# Altium PCB ALCT_MEZ_LX150T.PcbDoc (part 1 of 8) (continued)
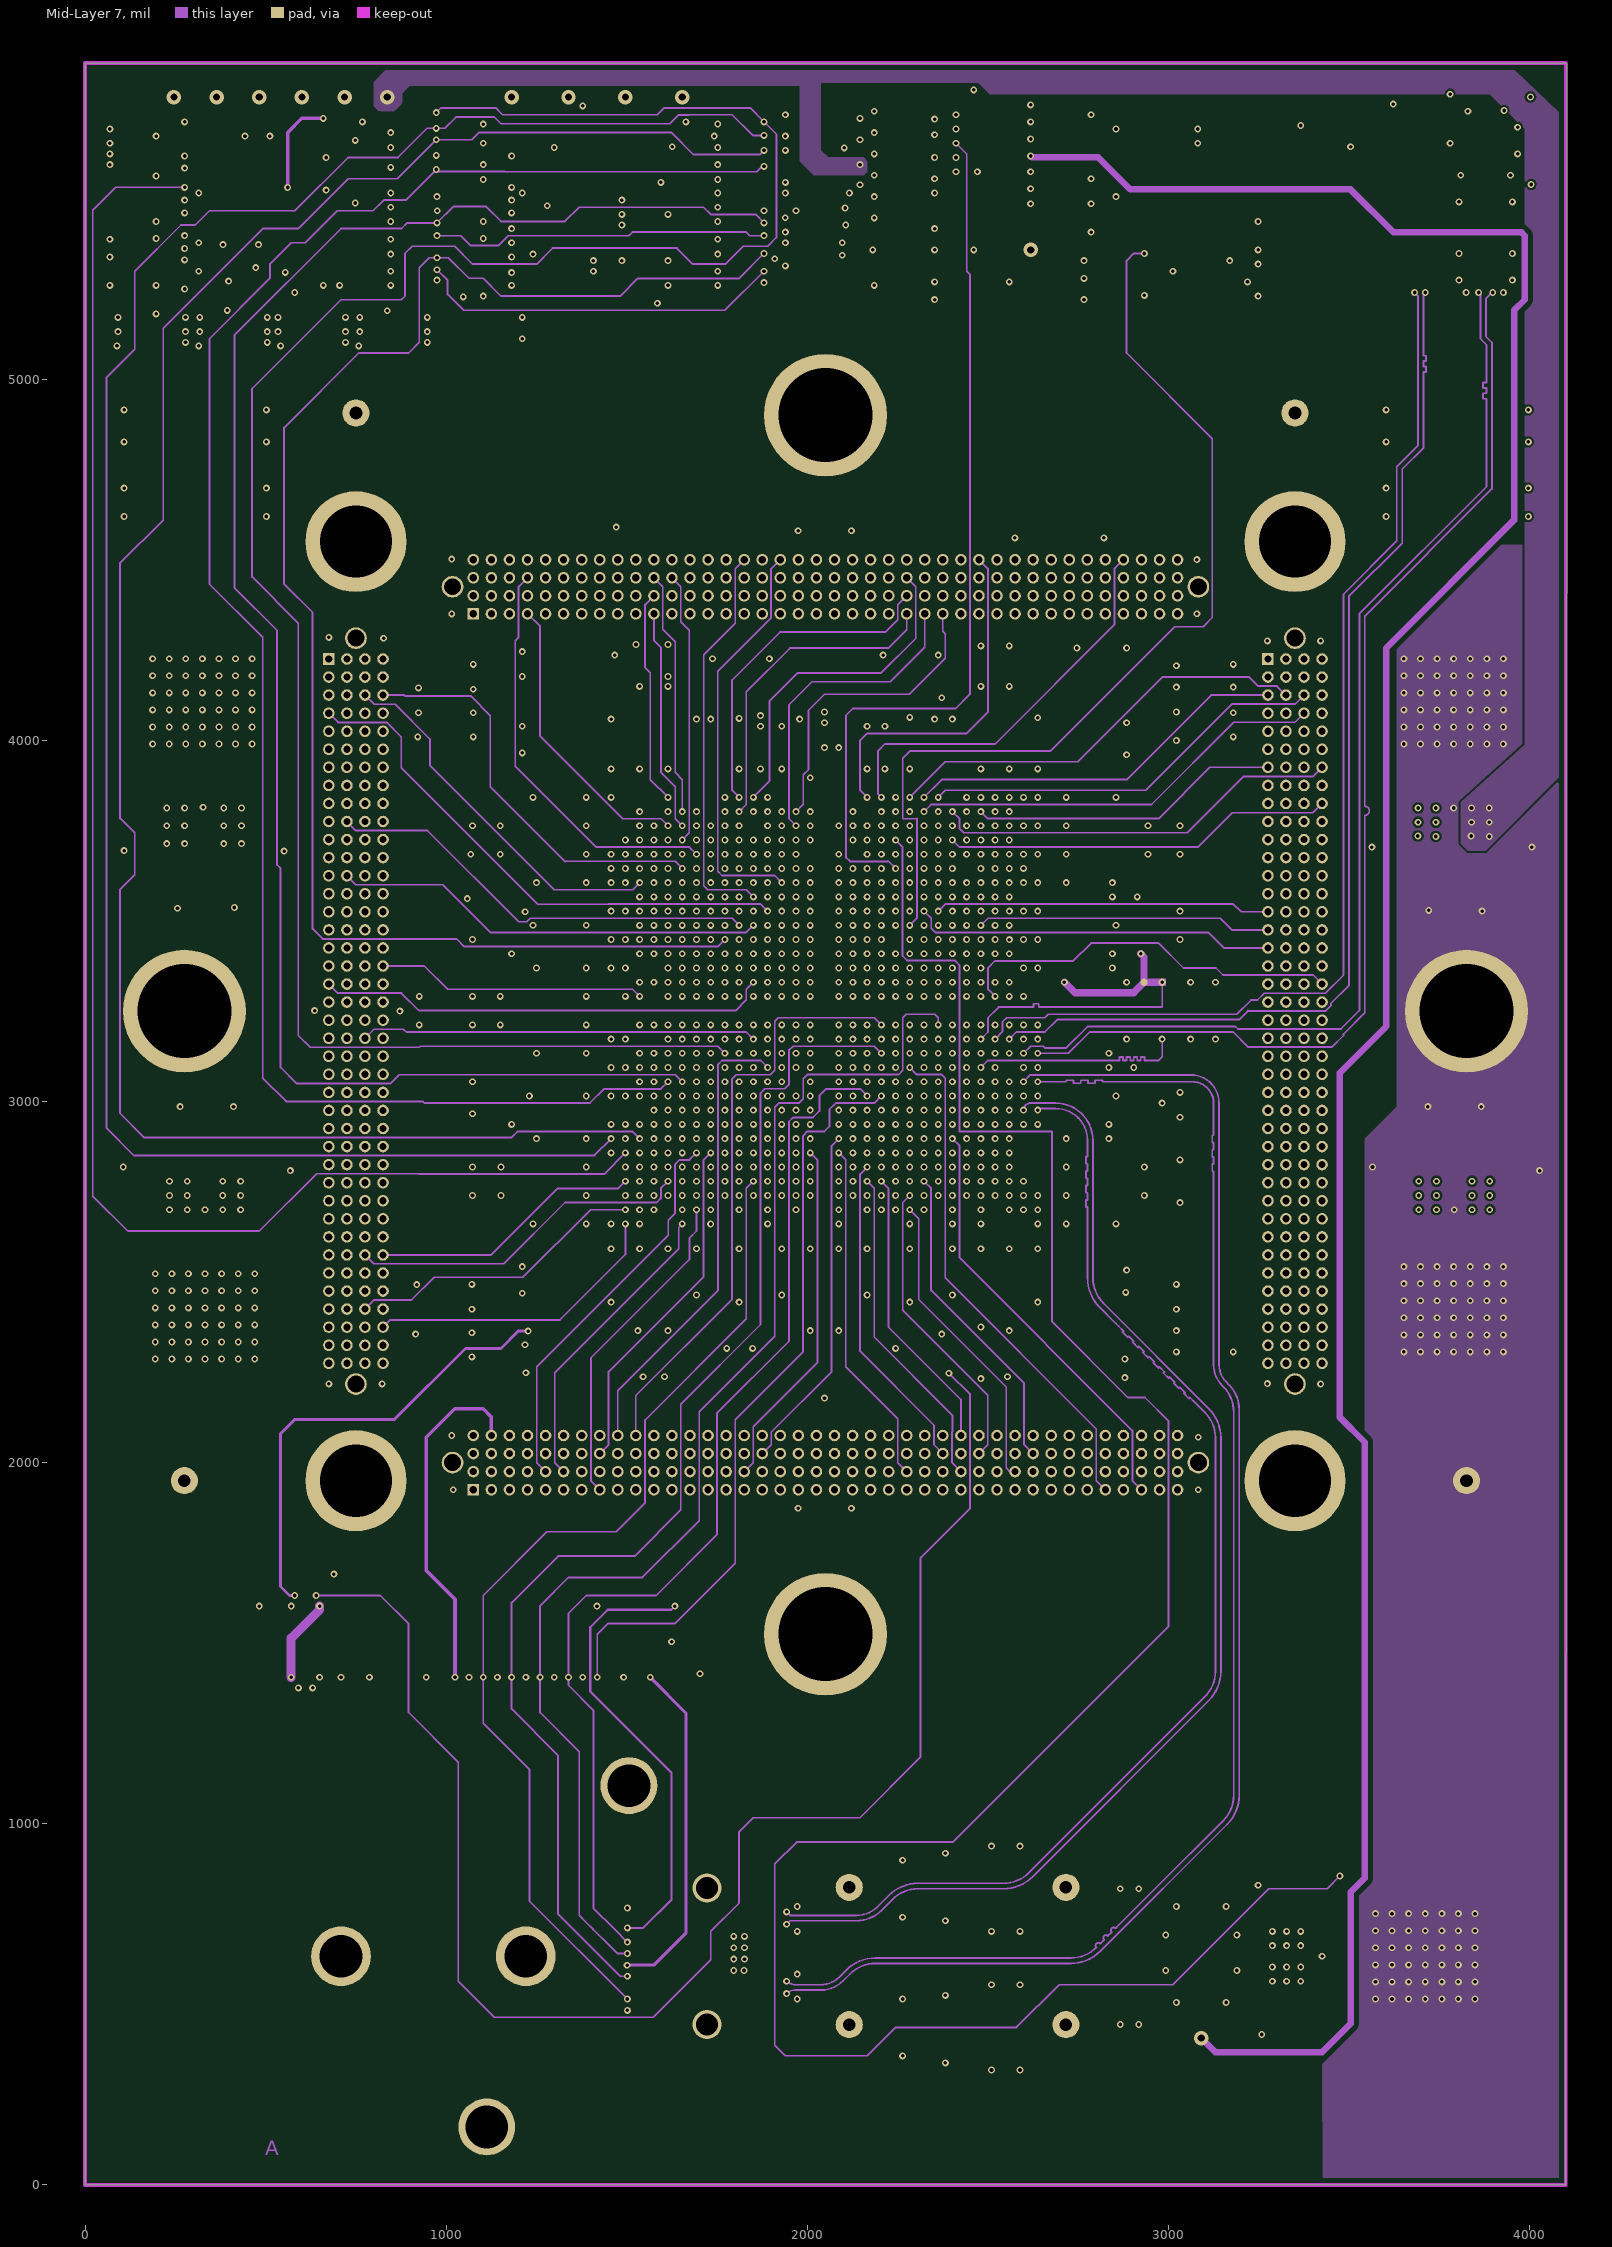
[diagram p10: Mid-Layer 7]
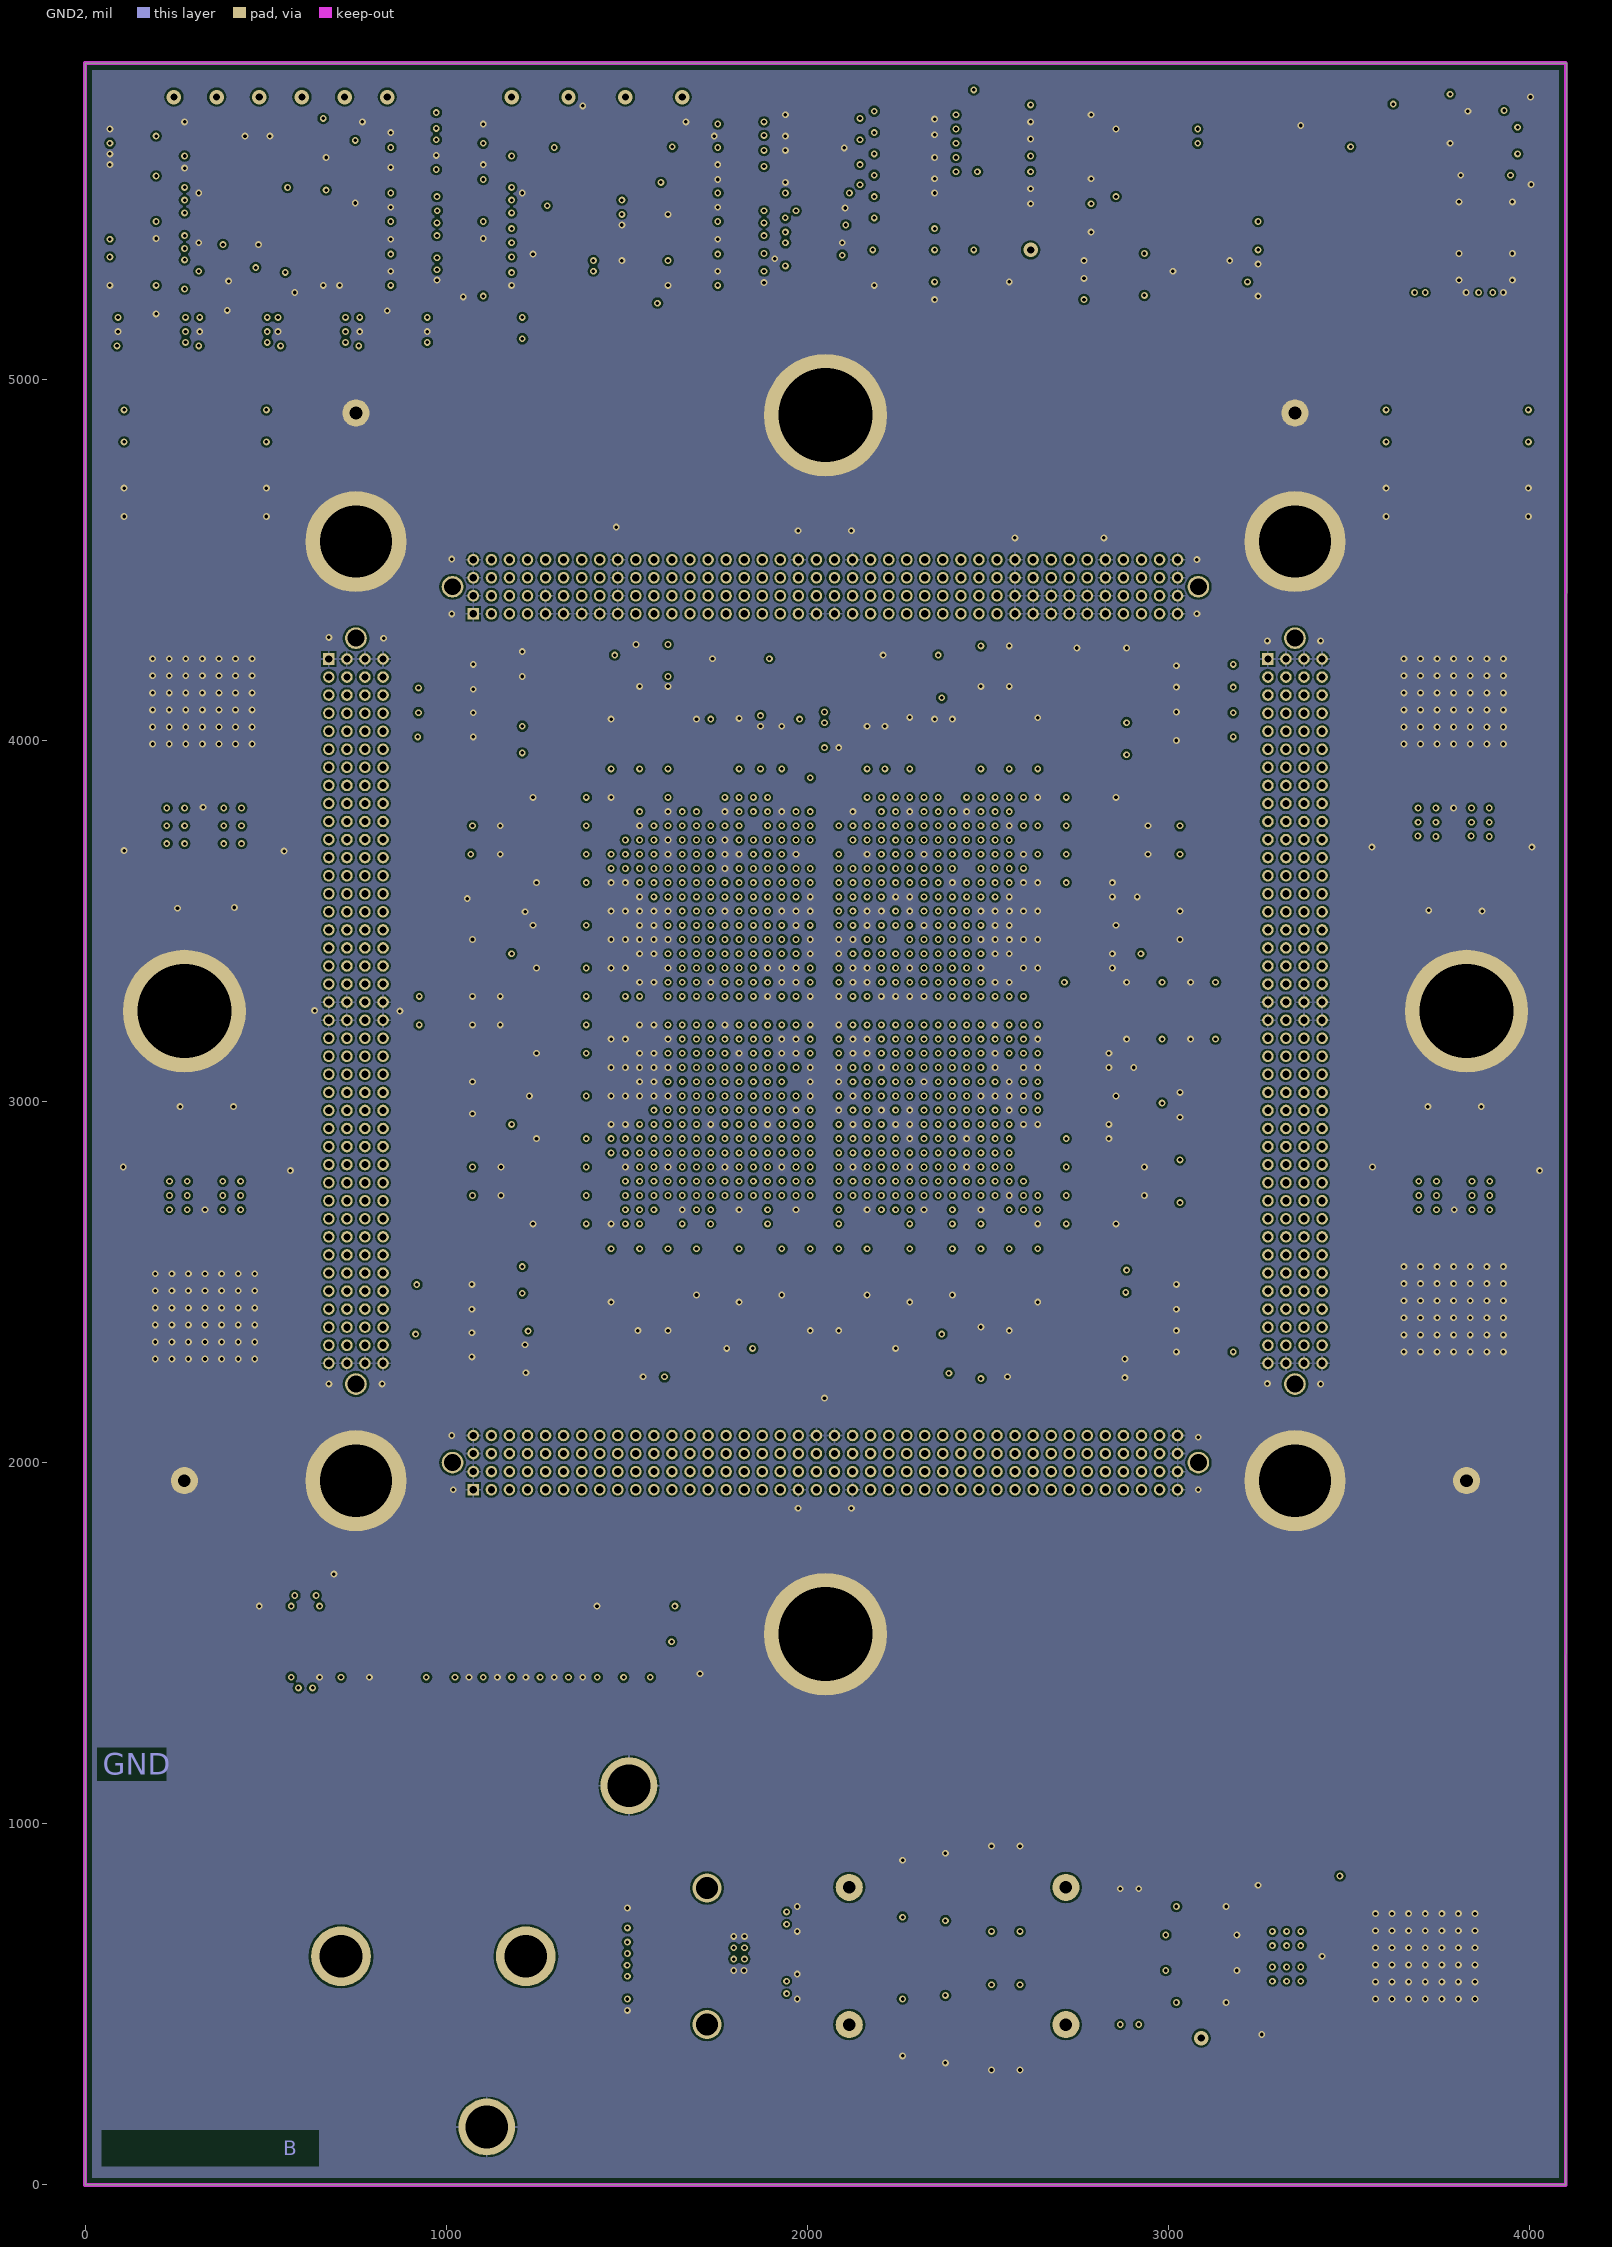
[diagram p11: GND2]
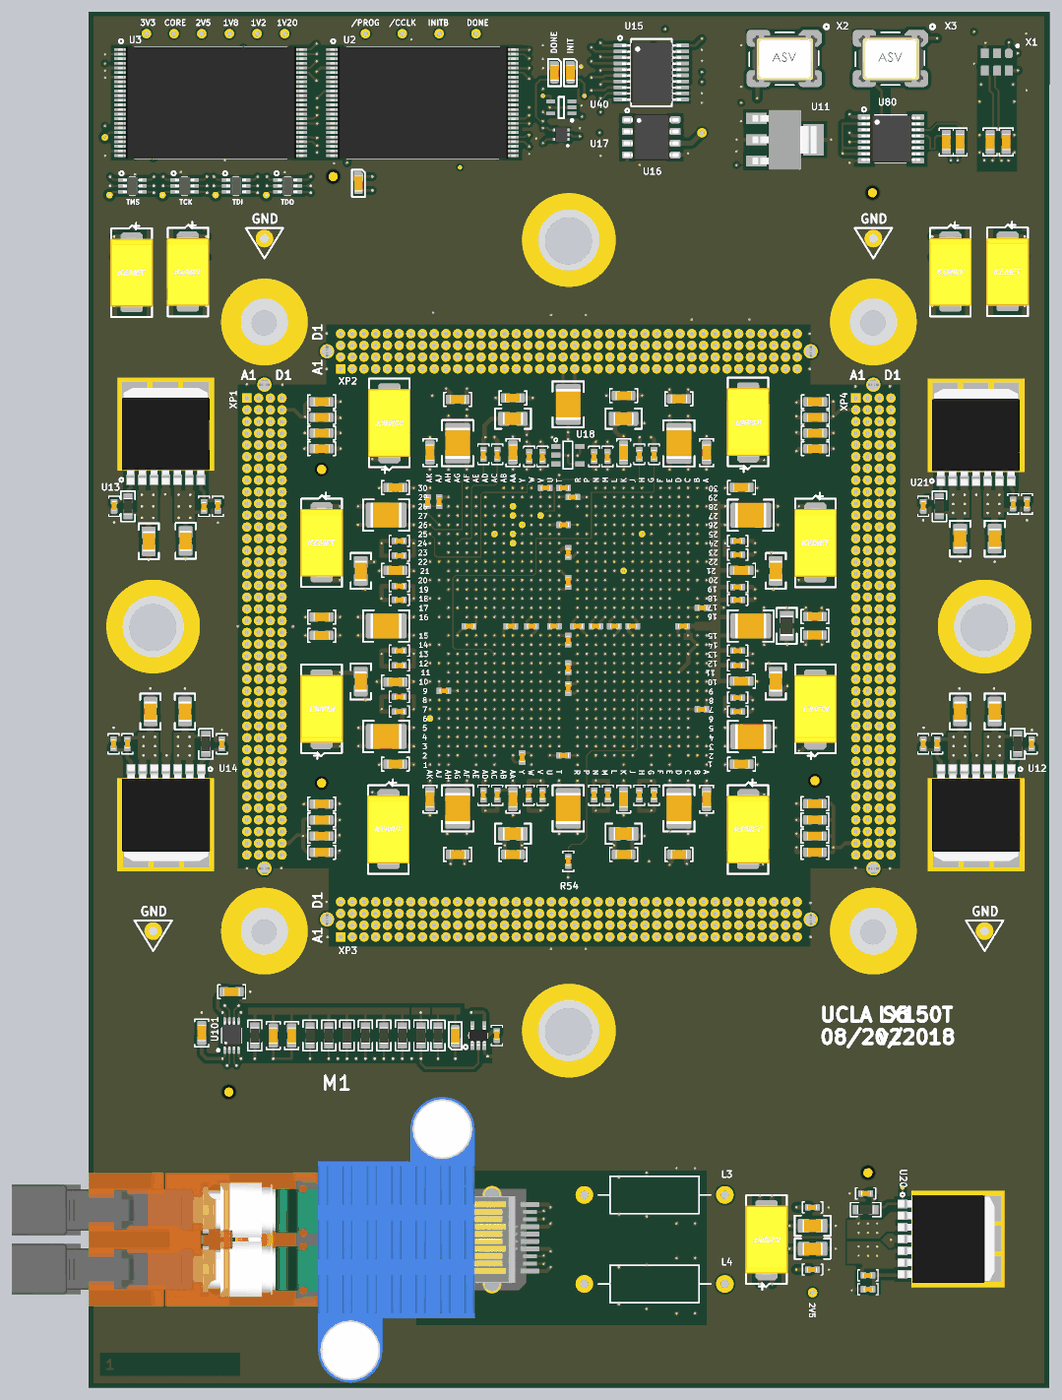
[diagram p19: 3D render of the assembled board from above, using the file's embedded part models]
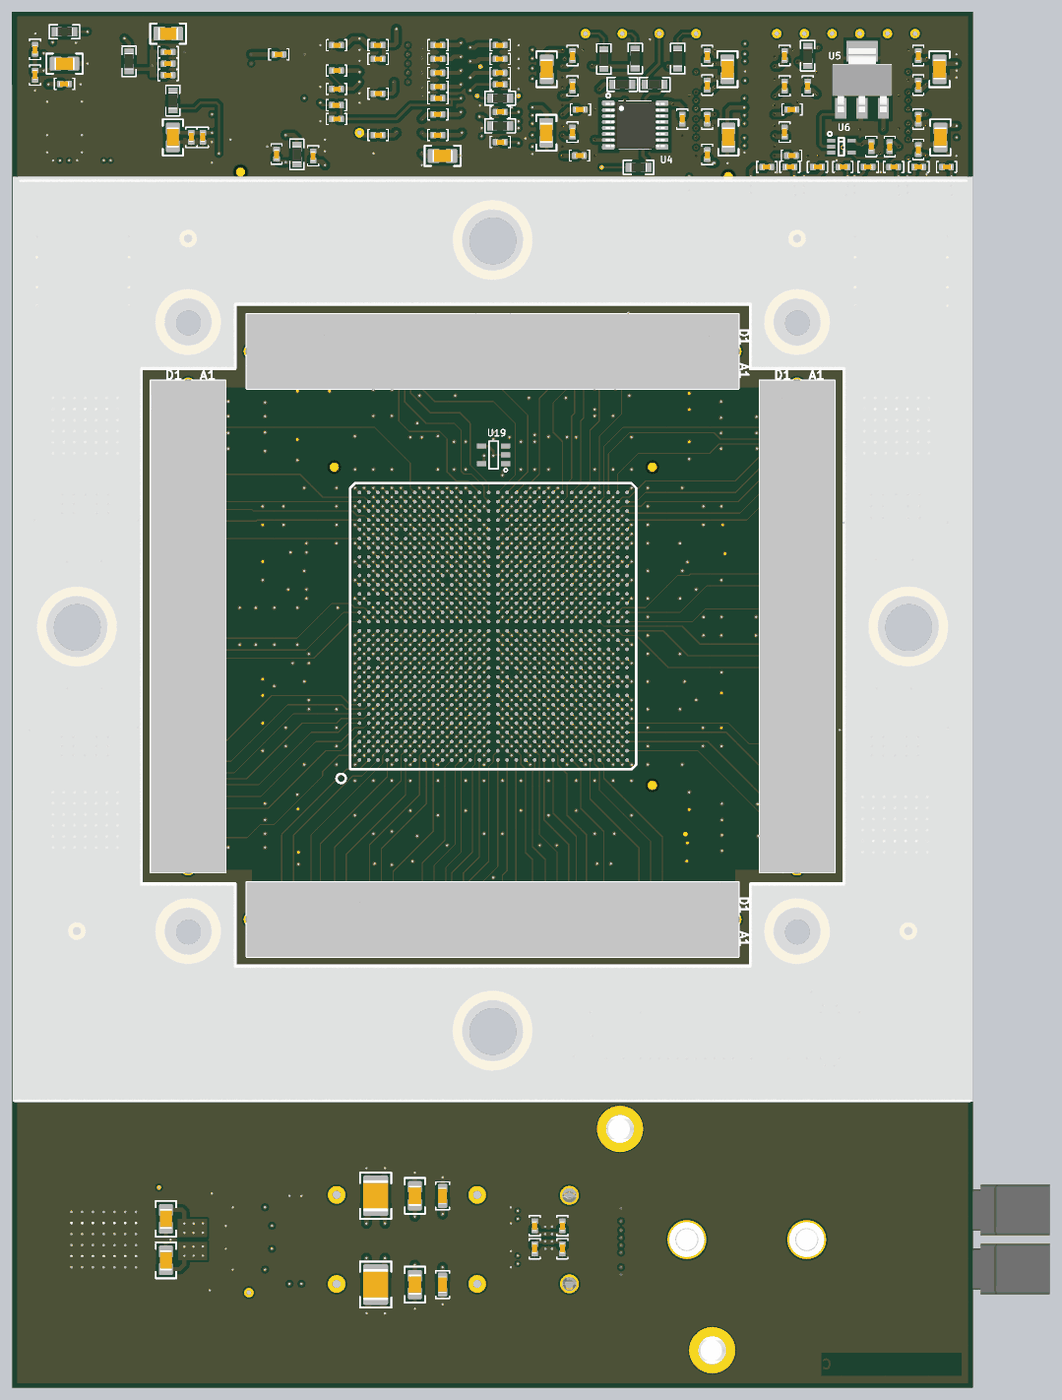
[diagram p20: 3D render of the assembled board from below, using the file's embedded part models]

## Layer stack, top to bottom
Top Solder: solder mask 1.4, Solder Resist, Dk 3.3
Top Layer: signal copper 2
Dielectric 1: prepreg 4.9, FR-4, Dk 4.2
Mid-Layer 1: signal copper 0.6
Dielectric4: core 5, FR-4, Dk 4.2
+3V3: signal copper 1.5
Dielectric 14: prepreg 4.9, Dk 4.2
Mid-Layer 2: signal copper 0.6
Dielectric5: core 5, FR-4, Dk 4.2
+1V2: signal copper 0.6
Dielectric6: prepreg 4.9, FR-4, Dk 4.2
Mid-Layer 4: signal copper 0.6
Dielectric7: core 5, FR-4, Dk 4.2
+2V5: signal copper 0.6
Dielectric12: prepreg 4.9, FR-4, Dk 4.2
Mid-Layer 5: signal copper 0.6
Dielectric8: core 5, FR-4, Dk 4.2
GND1: signal copper 0.6
Dielectric13: prepreg 4.9, FR-4, Dk 4.2
Mid-Layer 7: signal copper 0.6
Dielectric10: core 5, FR-4, Dk 4.2
GND2: signal copper 0.6
Dielectric3: prepreg 4.9, FR-4, Dk 4.2
Bottom Layer: signal copper 1.4
Bottom Solder: solder mask 0.4, Solder Resist, Dk 3.3

## Board outline
0,0.01 4099.99,0 4101.98,5875.01 0,5875.01

## Design rules (kind name [scope] priority, off if disabled: settings)
Clearance "Diff Pairs" [InNet('SFP_RX_P') or InNet('SFP_RX_N') or InNet('SFP_TX_N') or InNet('SFP_TX_P') or InNet('mgt_refclk0_n') or InNet('MGT_REFCLK0_P')or InNet('mgt_refclk1_n') or InNet('MGT_REFCLK1_P')  or InNet('osc0_n') or InNet('osc0_p')   or InNet('sfp_tx2_n') or InNet('sfp_tx2_p')            or InNet('osc80_n') or InNet('osc80_p')] p1: gap=5 ignorepadtopadclearanceinfootprint=TRUE
Clearance "FPGA Fanout" [InNet('XP*')  or InNet('led*')     or InNet('HSWAPEN')   or InNet('M1')  or InNet('M0')      or InNet('CSI_B')       or InNet('RDWR_B')    or InNet('MEZ_CLOCK')] p2: gap=5 ignorepadtopadclearanceinfootprint=TRUE except(6: Arc-THPad Arc-Via Track-THPad Track-Via; 7: Arc-Hole Track-Hole SMDPad-Hole THPad-Hole Via-Hole Fill-Hole Poly-Hole Region-Hole Text-Hole; 8: Arc-Arc Arc-Track Arc-SMDPad Track-Track Track-SMDPad SMDPad-SMDPad)
Clearance "General Clearance TopLy" [OnLayer('Top Layer')] p3: gap=8 ignorepadtopadclearanceinfootprint=TRUE except(7: SMDPad-SMDPad; 14: Arc-Poly Track-Poly SMDPad-Poly)
Clearance "General Clearance BotLy" [OnLayer('Bottom Layer')] p4: gap=8 ignorepadtopadclearanceinfootprint=TRUE except(6: Arc-SMDPad Track-SMDPad SMDPad-SMDPad; 14: Arc-Poly Track-Poly SMDPad-Poly)
Clearance "General Clearance" [All] p5: gap=6 ignorepadtopadclearanceinfootprint=TRUE except(7: Arc-Via Track-Via; 14: Arc-Arc Arc-Track Arc-Poly Track-Track Track-Poly SMDPad-Poly)
DiffPairsRouting [All] p1: maxlimit=16 minlimit=5 mostfreqgap=14 toplayer_mingap=16 toplayer_prefgap=16 toplayer_minwidth=8 toplayer_maxwidth=16 toplayer_prefwidth=8 midlayer1_minwidth=4 midlayer1_maxwidth=4 midlayer1_prefwidth=4 midlayer2_minwidth=4 midlayer2_maxwidth=4 midlayer2_prefwidth=4 midlayer3_minwidth=4 midlayer3_maxwidth=4 midlayer3_prefwidth=4 midlayer4_minwidth=4 midlayer4_maxwidth=4 midlayer4_prefwidth=4 midlayer5_minwidth=4 midlayer5_maxwidth=4 midlayer5_prefwidth=4 midlayer6_minwidth=4 midlayer6_maxwidth=10 midlayer6_prefwidth=4 midlayer7_mingap=10 midlayer7_maxgap=10 midlayer7_prefgap=10 midlayer7_minwidth=5 midlayer7_maxwidth=5 midlayer7_prefwidth=5 midlayer8_minwidth=4 midlayer8_maxwidth=10 midlayer8_prefwidth=4 midlayer9_minwidth=4 midlayer9_maxwidth=10 midlayer9_prefwidth=4 midlayer10_minwidth=4 midlayer10_maxwidth=10 midlayer10_prefwidth=4 bottomlayer_mingap=16 bottomlayer_prefgap=16 bottomlayer_minwidth=8 bottomlayer_maxwidth=16 bottomlayer_prefwidth=8 maxuncoupledlength=500
HoleSize [All] p1: absolutevalues=TRUE maxlimit=260 minlimit=10 maxpercent=80.000 minpercent=20.000
MatchedLengths MatchedLengthsOsc80 [InDifferentialPair('osc80')] p1: tolerance=100 checknetsindiffpair=TRUE checkdiffpairvsdiffpair=FALSE checkxsignals=FALSE checkothers=FALSE
MatchedLengths mgtrref [InNet('mgtavttrcal') or InNet('mgtrref')] p2: tolerance=5 checknetsindiffpair=FALSE checkdiffpairvsdiffpair=TRUE checkxsignals=TRUE checkothers=TRUE
MatchedLengths [All] p3: tolerance=10 checknetsindiffpair=TRUE checkdiffpairvsdiffpair=FALSE checkxsignals=FALSE checkothers=FALSE